# Altium PCB RELIA - Copy.PcbDoc (part 2 of 2)
Units mm, origin at the board's own origin, x right, y up, seen from the top; angles counter-clockwise.
Board outline 69.75 x 62.48 mm, 4 copper layers (Top Layer, GND, POWER, Bottom Layer), stack 0.603 mm thick; 143 components, 99 nets, 540 pads, 234 vias.
Unrouted connection lines stored in the file: 89.
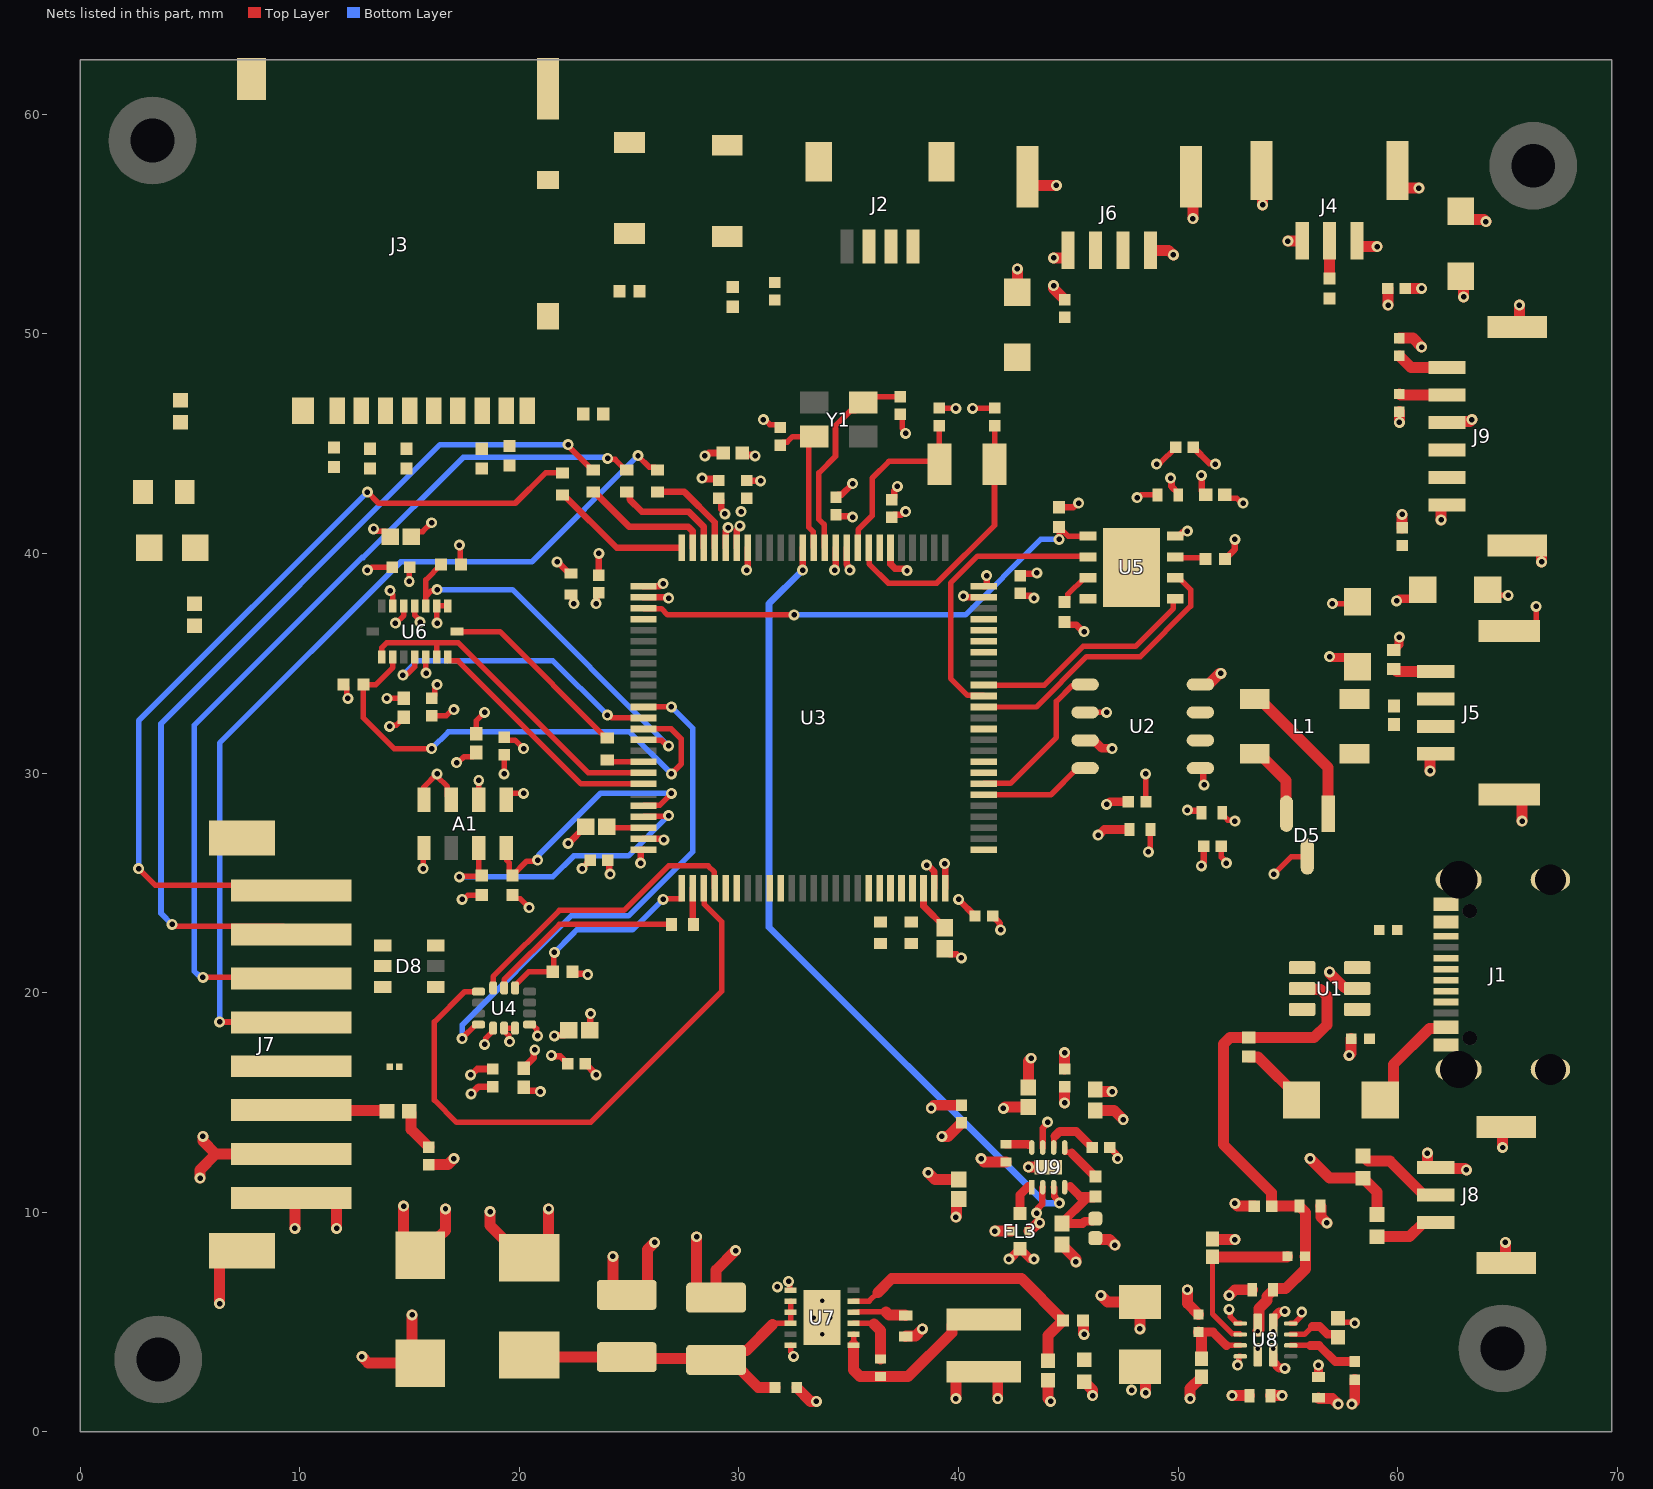
[diagram p4: the nets of this part, all layers, seen from the top]

## Part data (continued)
U9: library part CMP-06324-000082-1, "IC REG LINEAR 3.3V/3.3V 8TMLF", Dropout Voltage=120mV, Max Operating Temperature=125°C, Min Current Limit=350mA, Min Input Voltage=2.3V, Min Operating Temperature=-40°C, Output Current=300mA, Output Voltage=3.3V, Output Voltage Accuracy=1%, Package Quantity=1, Mount="Surface Mount", Number of Outputs=2, Number of Pins=8, Number of Regulators=2, Packaging="Tape and Reel", Polarity=Positive, RoHS Compliant=Yes, Series=-
Y1: library part SXT32412BB07-25.000MT, "25 MHz Â±30ppm Crystal 12pF 50 Ohms 4-SMD, No Lead", Package="NON STANDARD-4 Suntsu", Supplier Part Number 1=535-ABM8N-25.0000MHZ-12-B1U-T3CT-ND, Check_prices=https://www.snapeda.com/parts/SXT32412BB07-25.000M/Suntsu/view-part/?ref=eda, MF=Suntsu, MP=SXT32412BB07-25.000M, SnapEDA_Link=https://www.snapeda.com/parts/SXT32412BB07-25.000M/Suntsu/view-part/?ref=snap, Supplier 1=DigiKey
Y2: library part CMP-0447-00001-4, "Crystal 32.768kHz ±20ppm (Tol) 12.5pF FUND 70kΩ 2-Pin CSMD T/R", Case/Package=CSMD, ESR (Equivalent Series Resistance)=70kR, Frequency=32.768kHz, Frequency Tolerance=20ppm, Load Capacitance=12.5pF, Max Operating Temperature=85°C, Min Operating Temperature=-40°C, Operating Frequency="32.768 kHz", Package Quantity=3000, Depth=1.5mm, Height=0.9mm, Lead Free="Lead Free", Length=3.2mm, Number of Pins=2, Packaging="Tape and Reel", Radiation Hardening=No, REACH SVHC="No SVHC", RoHS Compliant=Yes, Series=ABS07, Series Resistance=70kR, Termination=SMD/SMT, Tolerance=20ppm, Width=1.5mm

## Free pads (board coordinates)
  round 4 / inner rect 2x2 / far side round 4 hole 2: MH4(3.302,58.801) MH4(3.556,3.302) MH4(64.77,3.81) MH4(66.167,57.658)

## Via types
v1: diameter 0.5, hole 0.25, Top Layer to Bottom Layer, 230 vias
v2: diameter 0.4, hole 0.2, Top Layer to Bottom Layer, 4 vias

## Nets (pads, with @x,y where several pads share a name; then routed paths per layer and width w, separated by ;. In a path a pad name is that pad's centre, name@x,y a point inside that pad or via, vN(x,y) a via of type N, cw(c..) or ccw(c..) an arc to the next point about the centre after c; other vN are vias at no path point)
+3V3_ANALOG: A1.1 A1.2 C11.1 C12.1 C13.1 C24.1 C25.1 C26.1 C27.1 C30.1 C31.1 C35.1 C36.1 C37.1 C38.1 C51.1 C52.1 FB1.2 R19.2 R24.1 R25.1 R26.2 R27.2 U3.20 U3.21 U4.5 U4.8 U6.3 U6.11 | length 26
  Top Layer w0.25: R27.2@11.996,34.036 12.144,33.888 12.144,33.449 v1(12.192,33.401) ; v1(13.97,33.401) C36.1@14.732,33.401 ; v1(14.351,36.83) 14.386,36.83 14.74,37.184 U6.3@14.74,37.614 ; v1(14.986,38.735) 14.995,38.744 14.995,39.361 C30.1@15.005,39.37 ; C31.1@15.082,40.767 15.309,40.994 15.594,40.994 v1(16.002,41.402) ; U6.11@15.74,35.284 15.74,34.563 v1(15.751,34.551) ; C35.1@16.002,33.42 16.137,33.555 16.137,33.849 16.256,33.968 v1(16.256,34.036) ; v1(17.145,30.48) 17.213,30.48 17.49,30.758 17.873,30.758 18.034,30.919 C38.1@18.034,30.94 ; v1(17.272,40.386) 17.307,40.351 17.307,39.531 R26.2@17.341,39.497 ; v1(17.399,24.257) 17.467,24.257 17.652,24.442 R24.1@18.288,24.442 ; A1.2@18.151,28.786 v1(18.151,29.671) ; v1(18.415,17.653) 18.463,17.701 18.463,17.928 18.804,18.269 U4.5@18.804,18.389 ; v1(19.304,29.972) C37.1@19.304,30.842 ; A1.1@19.401,28.786 19.401,28.908 19.576,29.083 v1(20.193,29.083) ; R25.1@19.685,24.442 19.835,24.292 20.031,24.292 v1(20.447,23.876) ; U4.8@20.469,18.554 20.589,18.554 20.79,18.353 20.79,18.072 v1(20.828,18.034)
  Top Layer w0.3: v1(17.78,16.256) 17.813,16.256 18.086,16.529 C24.1@18.796,16.529 ; C27.1@20.193,16.558 20.193,16.579 20.663,17.049 20.663,17.361 v1(20.701,17.399) ; v1(21.463,17.145) 21.501,17.107 21.863,17.107 C25.1@22.206,16.764 ; v1(21.59,18.034) 21.628,18.072 22.04,18.072 C26.1@22.256,18.288 ; R19.2@22.421,20.955 22.51,20.866 23.076,20.866 v1(23.114,20.828) ; C11.1@29.083,42.526 29.193,42.416 29.193,42.028 29.363,41.858 v1(29.363,41.804) ; U3.21@29.401,40.262 29.401,41.026 29.501,41.126 v1(29.501,41.18) ; U3.20@29.901,40.262 29.901,41.066 30.04,41.205 v1(30.04,41.259) ; C13.1@30.147,44.577 30.235,44.488 30.696,44.488 v1(30.734,44.45)
  Top Layer w0.5: v1(38.608,11.811) 38.931,11.488 C51.1@40.005,11.488 ; v1(39.243,13.462) 39.516,13.462 C52.1@40.132,14.078 ; v1(41.021,12.446) 41.167,12.3 FB1.2@42.164,12.3
  other v1: 30.099,41.91
+3V3_MAIN: C7.1 C8.1 C14.1 C15.1 C16.1 C17.1 C18.1 C19.1 C20.1 C32.1 C33.1 C34.1 C55.1 C56.1 C57.1 J2.1 J3.4 R2.1 R3.1 R4.1 R5.1 R6.1 R8.2 R21.2 R22.2 R23.2 R36.2 R37.2 R42.2 S1.1 U2.5 U3.6 U3.11 U3.27 U3.50 U3.75 U3.100 U5.8 U9.7 | length 30.1
  Top Layer w0.3: C20.1@22.352,38.133 22.366,38.133 22.441,38.058 22.441,37.757 v1(22.479,37.719) ; v1(23.495,37.719) 23.533,37.757 23.533,38.119 C17.1@23.622,38.208 ; C18.1@24.022,26.035 24.092,25.965 24.092,25.438 v1(24.13,25.4) ; v1(25.527,25.908) 25.527,26.512 U3.50@25.651,26.512 ; U3.27@25.651,38.012 26.704,38.012 26.743,37.973 v1(26.797,37.973) ; v1(34.352,39.243) 34.352,39.297 34.401,39.346 U3.11@34.401,40.262 ; C14.1@34.417,41.764 34.487,41.694 35.141,41.694 v1(35.179,41.656) ; U3.6@36.901,40.262 36.901,39.517 37.106,39.312 37.508,39.312 37.597,39.223 v1(37.651,39.223) ; C15.1@36.957,41.656 37.067,41.766 37.394,41.766 37.538,41.91 v1(37.592,41.91) ; v1(39.369,25.882) 39.401,25.85 U3.75@39.401,24.762 ; v1(40.005,24.257) 40.005,24.238 C19.1@40.748,23.495 ; U3.100@41.151,38.512 41.275,38.512 v1(41.275,38.989) ; C16.1@42.799,38.989 42.888,39.078 43.523,39.078 v1(43.561,39.116) ; U9.7@43.831,12.954 43.831,13.835 44.054,14.058 v1(44.054,14.112) ; R22.2@44.577,42.106 45.227,42.106 45.412,42.291 v1(45.466,42.291) ; R21.2@44.831,36.888 44.956,36.763 45.352,36.763 45.666,36.449 v1(45.72,36.449) ; v1(49.657,43.434) 49.695,43.396 49.695,43.057 50.005,42.747 C34.1@50.005,42.672 ; U5.8@49.864,40.795 50.034,40.795 50.222,40.983 50.381,40.983 v1(50.419,41.021) ; v1(50.419,28.321) 50.457,28.283 50.979,28.283 51.054,28.208 C7.1@51.054,28.194 ; C32.1@50.692,44.831 51.416,44.107 51.651,44.107 v1(51.689,44.069) ; U2.5@51.012,30.226 51.027,30.226 51.143,30.111 51.143,29.502 v1(51.181,29.464) ; v1(51.054,25.781) 51.054,25.835 51.162,25.943 C8.1@51.162,26.67 ; v1(51.054,43.561) 51.071,43.544 51.071,42.861 51.103,42.83 51.103,42.808 51.239,42.672 C33.1@51.26,42.672 ; R23.2@52.139,39.751 52.578,40.19 v1(52.578,40.64)
  Top Layer w0.5: v1(42.037,14.732) 42.106,14.801 C57.1@43.18,14.801 ; v1(44.831,14.986) C56.1@44.831,15.729 ; C55.1@46.228,14.634 47.088,14.634 v1(47.498,14.224) ; v1(56.007,12.446) 56.892,11.561 R37.2@58.42,11.561 ; R37.2@58.424,11.561 59.055,10.93 R36.2@59.055,9.902
BEC_5V: C44.2 C45.1 C47.1 L2.2 R33.2 R35.2 U8.7 | length 11
  Top Layer w0.5: v1(39.878,1.524) 39.878,2.512 40.118,2.752 L2.2@41.148,2.752 41.543,2.752 41.783,2.512 v1(41.783,1.524) ; C44.2@44.069,2.354 44.069,1.524 v1(44.196,1.397) ; R33.2@45.662,5.08 45.687,5.055 45.687,4.478 v1(45.72,4.445) ; v1(46.482,6.223) 46.784,5.921 C45.1@48.26,5.921 v1(48.26,4.699) ; v1(50.419,6.477) 50.419,5.861 R35.2@50.927,5.353 ; v1(52.451,1.651) C47.1@53.246,1.651
  other v2: 53.625,3.791
BMI_CSB1: R27.1 U3.39 U6.14 | length 23
  Top Layer w0.25: U6.14@14.24,35.284 14.24,34.814 13.462,34.036 R27.1@12.896,34.036 12.896,32.519 14.3,31.115 v1(16.002,31.115) ; U3.39@25.651,32.012 26.916,32.012 27.372,31.556 27.372,30.42 v1(26.924,29.972)
  Bottom Layer w0.25: v1(16.002,31.115) 16.764,31.877 25.019,31.877 v1(26.924,29.972)
BMI_CSB2: R26.1 U3.40 U6.5 | length 17.6
  Top Layer w0.25: U6.5@15.74,37.614 15.74,38.044 ; v1(16.256,38.359) 16.208,38.311 16.008,38.311 15.74,38.044 ; R26.1@16.441,39.497 15.74,38.796 15.74,38.044 ; U3.40@25.651,31.512 25.676,31.487 26.484,31.487 26.729,31.242 v1(26.797,31.242)
  Bottom Layer w0.25: v1(16.256,38.359) 19.68,38.359 v1(26.797,31.242)
BMI_INT(GYRO): U3.38 U6.12 | length 13.4
  Top Layer w0.25: v1(14.699,34.468) 14.747,34.516 14.901,34.516 15.24,34.854 U6.12@15.24,35.284 ; v1(24.003,32.639) 24.071,32.639 24.198,32.512 U3.38@25.651,32.512
  Bottom Layer w0.25: v1(14.699,34.468) 15.358,35.126 21.516,35.126 v1(24.003,32.639)
CAN_N: J5.3 L1.3 R12.1
CAN_P: J5.2 L1.4 R12.2
CANRX_N: U2.4 U3.81 | length 5.1
  Top Layer w0.254: U3.81@41.151,29.012 44.198,29.012 45.412,30.226 U2.4@45.762,30.226
CANTX_P: U2.1 U3.82 | length 7.4
  Top Layer w0.254: U3.82@41.151,29.512 41.174,29.535 42.362,29.535 44.45,31.623 44.45,33.265 45.165,33.979 45.705,33.979 U2.1@45.762,34.036
GND: A1.3 A1.4 A1.5 C1.2 C2.2 C3.2 C4.2 C5.2 C6.2 C7.2 C8.2 C9.2 C10.2 C11.2 C12.2 C13.2 C14.2 C15.2 C16.2 C17.2 C18.2 C19.2 C20.2 C21.1 C22.1 C23.2 C24.2 C25.2 C26.2 C27.2 C28.1 C29.1 C30.2 C31.2 C32.2 C33.2 C34.2 C35.2 C36.2 C37.2 C38.2 C39.2 C41.1 C42.1 C43.2 C45.2 C46.1 C47.2 C48.2 C49.1 C50.1 C51.2 C52.2 C53.1 C54.2 C55.2 C56.2 C57.2 C58.2 C59.2 D2.2 D3.2 D4.2 D5.3 D6.1 D7.2 D8.2 D10.2 D11.1 D12.2 FL3.3 FL3.4 J1.1 J1.2 J1.3 J1.4 J1.A1-B12 J1.B1-A12 J2.S1 J2.S2 J3.6 J3.P1 J3.P2 J3.P3 J3.P4 J3.SWA J4.3 J4.4 J4.5 J5.4 J5.5 J5.6 J6.4 J6.5 J6.6 J7.2 J7.9 J7.10 J8.3 J8.4 J8.5 J9.4 J9.7 J9.8 R9.2 R10.2 R18.1 R34.1 R39.2 R40.2 R41.2 S2.2 U1.2 U2.2 U2.8 U3.10 U3.19 U3.26 U3.49 U3.74 U3.99 U4.6 U4.7 U5.4 U5.9 U6.2 U6.4 U6.6 U6.7 U7.7 U7.12 U7.13 U7.V U8.3 U8.6 U8.12 U9.2 U9.9 | length 131.4
  Top Layer w0.25: v1(13.081,39.243) 13.149,39.243 13.276,39.37 C30.2@14.205,39.37 ; v1(13.366,41.117) 13.433,41.117 13.53,41.021 13.874,41.021 C31.2@14.128,40.767 ; v1(14.097,32.131) 14.145,32.179 14.388,32.179 14.732,32.522 C36.2@14.732,32.544 ; v1(14.111,38.314) 14.111,38.246 14.24,38.117 U6.2@14.24,37.614 ; U6.4@15.24,37.614 15.24,37.184 15.431,36.994 15.431,36.925 v1(15.478,36.877) ; v1(15.621,25.654) 15.626,25.659 15.626,26.561 A1.5@15.651,26.586 ; A1.4@15.651,28.786 15.651,29.367 v1(16.256,29.972) 16.256,29.857 16.726,29.387 16.726,28.961 A1.3@16.901,28.786 ; C35.2@16.002,32.62 16.677,32.62 16.95,32.893 v1(17.018,32.893) ; v1(16.256,36.83) 16.248,36.838 16.248,37.606 U6.6@16.24,37.614 U6.7@16.74,37.614 ; C38.2@18.034,31.798 18.034,32.385 v1(18.415,32.766) ; C37.2@19.304,31.642 19.439,31.507 19.801,31.507 v1(20.193,31.115) ; v1(19.558,17.78) 19.51,17.828 19.51,18.063 19.304,18.269 U4.6@19.304,18.389 U4.7@19.804,18.389 ; v1(31.115,46.101) 31.183,46.101 31.41,45.874 31.742,45.874 C22.1@31.877,45.739 ; v1(32.258,6.858) 32.303,6.813 32.303,6.457 U7.7@32.347,6.457 ; U7.12@32.347,3.957 32.347,3.662 32.493,3.516 v1(32.493,3.448) ; C21.1@37.338,46.336 37.425,46.249 37.425,45.701 37.592,45.534 v1(37.592,45.466) ; C29.1@39.116,46.628 39.125,46.618 39.869,46.618 v1(39.878,46.609) ; v1(40.64,46.609) 40.649,46.618 41.647,46.618 C28.1@41.656,46.628 ; U2.2@45.762,32.766 v1(46.736,32.766) ; v1(48.133,42.545) 48.201,42.545 48.328,42.672 C34.2@49.055,42.672 ; v1(48.514,29.972) 48.523,29.963 48.523,28.711 C4.2@48.533,28.702 ; v1(48.641,26.416) 48.641,26.484 48.735,26.578 C3.2@48.735,27.432 ; v1(49.022,44.069) 49.07,44.117 49.178,44.117 C32.2@49.892,44.831 ; C8.2@51.962,26.67 51.962,26.17 52.197,25.935 v1(52.197,25.908) ; C7.2@52.004,28.194 52.004,28.119 52.262,27.861 52.53,27.861 v1(52.578,27.813) ; C33.2@52.118,42.672 52.279,42.511 52.672,42.511 52.891,42.291 v1(52.959,42.291) ; v1(52.324,5.588) 52.372,5.54 52.372,5.244 52.675,4.941 U8.3@52.825,4.941 ; v1(52.705,3.048) 52.753,3.096 52.753,3.416 52.778,3.441 U8.6@52.825,3.441 ; v1(54.356,25.4) 55.159,26.203 D5.3@55.88,26.203 ; U8.12@55.125,4.941 55.275,4.941 55.578,5.244 55.578,5.413 v1(55.626,5.461) ; v1(57.023,37.719) 58.088,37.719 D3.2@58.166,37.797 ; C50.1@57.277,5.178 57.454,5.001 57.991,5.001 v1(58.039,4.953) ; D12.2@64.086,38.354 64.34,38.1 v1(65.024,38.1) ; J5.6@65.072,36.481 65.919,36.481 66.294,36.856 v1(66.294,37.592)
  Top Layer w0.3: v1(17.806,15.393) 18.142,15.729 C24.2@18.796,15.729 ; C27.2@20.193,15.7 20.193,15.679 20.329,15.543 20.852,15.543 20.901,15.494 v1(20.955,15.494) ; v1(21.717,39.624) 21.736,39.624 22.277,39.083 C20.2@22.352,39.083 ; v1(22.225,26.797) 22.233,26.797 22.995,27.559 C9.2@23.018,27.559 ; v1(22.86,25.654) 22.86,25.673 C18.2@23.222,26.035 ; C25.2@23.006,16.764 23.495,16.275 v1(23.495,16.256) ; C26.2@23.21,18.288 23.225,18.304 23.225,19.034 v1(23.241,19.05) ; C17.2@23.622,39.008 v1(23.622,40.005) ; U3.49@25.651,27.012 26.482,27.012 26.532,26.963 v1(26.586,26.963) ; U3.26@25.651,38.512 26.379,38.512 26.495,38.628 v1(26.549,38.628) ; v1(28.321,43.434) 28.359,43.396 29.013,43.396 C11.2@29.083,43.326 ; v1(28.448,44.45) 28.502,44.45 28.629,44.577 C13.2@29.289,44.577 ; v1(30.353,39.243) 30.353,39.297 30.401,39.345 U3.19@30.401,40.262 ; C12.2@30.353,43.326 30.362,43.316 30.979,43.316 v1(30.988,43.307) ; C14.2@34.417,42.564 34.527,42.674 34.673,42.674 v1(35.179,43.18) ; U3.10@34.901,40.262 34.901,39.543 34.901,39.517 34.952,39.466 34.952,39.397 35.052,39.297 v1(35.052,39.243) ; C15.2@36.957,42.456 37.067,42.566 37.067,42.855 37.211,42.999 v1(37.211,43.053) ; v1(38.544,25.812) 38.596,25.812 38.901,25.507 U3.74@38.901,24.762 ; C10.2@39.37,22.002 39.37,21.979 39.599,21.75 39.918,21.75 40.078,21.59 v1(40.132,21.59) ; v1(40.216,38.061) 40.27,38.061 40.32,38.012 U3.99@41.151,38.012 ; C19.2@41.548,23.495 41.872,23.171 41.872,22.898 v1(41.91,22.86) ; C16.2@42.799,38.189 42.909,38.079 43.274,38.079 43.38,37.973 v1(43.434,37.973) ; v1(43.549,9.962) 43.587,10 43.587,10.151 43.802,10.366 43.802,11.121 U9.2@43.831,11.15 ; C58.2@46.882,12.954 47.206,12.63 47.206,12.484 v1(47.244,12.446)
  Top Layer w0.5: v1(5.461,11.557) 5.461,11.938 6.176,12.653 ; v1(5.588,13.462) 5.588,13.241 6.176,12.653 ; v1(6.35,5.842) 6.35,7.703 6.9,8.253 J7.9@7.366,8.253 ; J7.2@9.616,12.653 6.176,12.653 ; v1(12.827,3.429) 13.118,3.138 D10.2@15.494,3.138 15.113,3.519 v1(15.113,5.334) ; C39.2@15.875,12.173 16.745,12.173 v1(17.018,12.446) ; v1(24.257,8.001) 24.257,6.681 24.692,6.246 C41.1@24.892,6.246 25.396,6.246 25.831,6.681 25.831,8.305 v1(26.162,8.636) ; v1(28.067,8.89) 28.067,6.554 28.502,6.119 C42.1@28.956,6.119 28.956,7.366 v1(29.845,8.255) ; C43.2@32.631,2.032 33.266,1.397 v1(33.528,1.397) ; C46.1@37.592,4.351 37.617,4.376 38.031,4.376 v1(38.354,4.699) ; v1(38.755,14.752) 38.881,14.878 C52.2@40.132,14.878 ; v1(39.878,9.779) 39.902,9.803 39.902,10.507 C51.2@40.005,10.61 ; v1(41.656,9.144) FL3.4@42.399,9.144 ; J6.6@43.138,57.159 43.138,57.019 43.388,56.769 v1(44.45,56.769) ; v1(43.18,12.065) 44.068,12.065 U9.9@44.081,12.052 ; C57.2@43.18,15.679 43.18,16.891 v1(43.307,17.018) ; FL3.3@43.199,9.144 43.249,9.194 43.285,9.194 43.616,9.525 v1(43.688,9.525) ; C54.2@44.704,8.538 44.704,8.517 45.339,7.882 v1(45.339,7.747) ; C56.2@44.831,16.529 v1(44.831,17.272) ; R34.1@45.72,2.292 45.722,2.292 46.101,1.913 v1(46.101,1.651) ; C53.1@46.228,8.826 46.296,8.759 46.867,8.759 v1(47.117,8.509) ; C55.2@46.228,15.592 46.228,15.58 46.314,15.494 v1(46.99,15.494) ; C45.2@48.26,2.969 48.514,2.715 v1(48.514,1.778) ; J6.4@48.738,53.809 49.569,53.809 v1(49.784,53.594) ; v1(50.546,1.524) 50.546,1.973 51.054,2.481 R39.2@51.054,2.514 ; J6.5@50.588,57.159 50.673,57.074 v1(50.673,55.245) ; U2.8@51.012,34.036 51.376,34.036 51.884,34.544 v1(51.943,34.544) ; R41.2@51.562,8.789 51.588,8.763 v1(52.578,8.763) ; v1(52.324,6.223) 52.578,6.477 C48.2@53.373,6.477 ; v1(52.578,10.414) 52.705,10.287 C2.2@53.467,10.287 ; J4.5@53.796,57.44 53.848,57.388 v1(53.848,55.88) ; C47.2@54.196,1.651 v1(54.737,1.651) ; v1(54.991,54.229) 55.635,54.229 J4.3@55.646,54.24 ; C49.1@56.388,1.557 56.413,1.532 57.015,1.532 v1(57.277,1.27) ; C1.2@56.482,10.287 56.507,10.262 56.507,9.787 v1(56.769,9.525) ; v1(56.896,20.955) 56.896,20.905 57.563,20.238 58.106,20.238 U1.2@58.151,20.193 ; v1(57.785,17.145) 57.879,17.239 R9.2@57.879,17.907 ; v1(57.912,1.27) 58.039,1.397 R40.2@58.039,2.38 ; C59.2@59.544,52.07 59.544,51.327 v1(59.563,51.308) ; J4.4@59.996,57.44 59.996,56.892 60.246,56.642 v1(60.96,56.642) ; v1(61.341,12.7) 61.341,12.095 61.391,12.045 J8.3@61.733,12.045 61.783,11.995 63.062,11.995 v1(63.119,11.938) ; v1(61.468,30.099) 61.468,30.831 61.518,30.881 J5.4@61.722,30.881 ; J9.4@62.241,45.964 62.291,46.014 63.286,46.014 v1(63.373,46.101) ; D2.2@62.865,55.577 62.865,55.562 63.225,55.202 63.924,55.202 v1(64.008,55.118) ; v1(64.77,12.954) 64.77,13.732 J8.5@64.933,13.895 ; v1(64.897,8.636) 64.897,7.731 J8.4@64.933,7.695 ; J5.5@65.072,29.031 65.409,29.031 65.659,28.781 v1(65.659,27.813) ; J9.7@65.441,40.364 66.291,40.364 66.541,40.114 66.541,39.631 v1(66.548,39.624) ; J9.8@65.441,50.314 65.532,50.405 v1(65.532,51.308)
  other v1: 47.879,1.905 31.75,6.604
ICM42INT: U3.37 U4.4 | length 23.7
  Top Layer w0.25: v1(17.399,17.907) 17.399,17.934 18.019,18.554 U4.4@18.139,18.554 ; U3.37@25.651,33.012 25.655,33.016 26.92,33.016 v1(26.924,33.02)
  Bottom Layer w0.25: v1(17.399,17.907) 17.399,18.542 22.353,23.496 24.969,23.496 27.889,26.416 27.889,32.055 v1(26.924,33.02)
MCU_STATUS: R17.2 U3.84
NetC9_1: C9.1 U3.48 | length 1.7
  Top Layer w0.25: C9.1@23.972,27.559 24.019,27.512 U3.48@25.651,27.512
NetC10_1: C10.1 U3.73 | length 2.2
  Top Layer w0.3: U3.73@38.401,24.762 38.401,23.948 39.37,22.979 C10.1@39.37,22.956
NetC21_2: C21.2 U3.12 Y1.3 | length 9.5
  Top Layer w0.254: U3.12@33.901,40.262 33.878,40.285 33.878,41.321 33.64,41.558 33.64,43.673 34.396,44.429 34.396,45.826 35.073,46.503 35.296,46.503 35.929,47.136 C21.2@37.338,47.136
NetC22_2: C22.2 U3.13 Y1.1 | length 6.9
  Top Layer w0.254: C22.2@31.877,44.939 32.01,45.072 32.192,45.072 32.446,45.326 Y1.1@33.269,45.326 ; U3.13@33.401,40.262 33.378,40.285 33.378,40.997 33.186,41.189 33.186,45.243 Y1.1@33.269,45.326 ; Y1.1@33.419,45.326 Y1.1@33.269,45.326
NetC28_2: C28.2 U3.8 Y2.1 | length 12.5
  Top Layer w0.254: U3.8@35.901,40.262 35.924,40.239 35.924,39.527 36.804,38.646 38.998,38.646 41.636,41.285 Y2.1@41.636,44.069 41.656,44.089 C28.2@41.656,45.828
NetC29_2: C29.2 U3.9 Y2.2 | length 8.7
  Top Layer w0.254: U3.9@35.401,40.262 35.424,40.285 35.424,41.085 36.068,41.729 36.068,43.434 36.83,44.196 39.009,44.196 Y2.2@39.136,44.069 39.116,44.089 C29.2@39.116,45.828
NetC39_1: C39.1 R28.2 U3.29 | length 2
  Top Layer w0.5: R28.2@14.982,14.605 15.064,14.522 15.064,13.784 C39.1@15.875,12.973
NetC40_1: C40.1 L2.1 U7.1 U7.2 | length 9
  Top Layer w0.25: U7.1@35.217,3.957 U7.2@35.217,4.457
  Top Layer w0.5: U7.1@35.217,3.957 35.217,2.814 35.51,2.521 C40.1@36.449,2.521 37.7,2.521 39.698,4.519 39.698,4.882 39.938,5.122 L2.1@41.148,5.122
NetC40_2: C40.2 U7.3 | length 2.7
  Top Layer w0.25: U7.3@35.217,4.957 36.11,4.957 36.158,4.909
  Top Layer w0.5: 36.158,4.909 36.449,4.618 C40.2@36.449,3.321
NetC41_2: C41.2 C42.2 C43.1 D9.1 U7.8 U7.9 U7.10 | length 16.2
  Top Layer w0.25: 31.533,4.957 U7.10@32.347,4.957 U7.9@32.347,5.457 U7.8@32.347,5.957
  Top Layer w0.5: D9.1@20.447,3.505 20.546,3.406 C41.2@24.892,3.406 24.956,3.343 28.892,3.343 C42.2@28.956,3.279 C42.2@29.631,3.279 ; 31.533,4.894 30.353,3.714 30.066,3.714 C42.2@29.631,3.279 ; C43.1@31.631,2.032 30.878,2.032 C42.2@29.631,3.279
NetC44_1: C44.1 R33.1 R34.2 U7.5 | length 12.9
  Top Layer w0.25: U7.5@35.217,5.957 35.929,5.957 36.322,6.35
  Top Layer w0.5: 36.322,6.35 36.957,6.985 42.857,6.985 R33.1@44.762,5.08 44.069,4.387 C44.1@44.069,3.234
NetC46_2: C46.2 U7.4 | length 2.2
  Top Layer w0.25: U7.4@35.217,5.457 35.43,5.457 35.457,5.484 36.472,5.484
  Top Layer w0.5: 36.703,5.461 36.838,5.326 37.567,5.326 C46.2@37.592,5.301
NetC50_2: C50.2 U8.11 | length 2.5
  Top Layer w0.25: U8.11@55.125,4.441 55.749,4.441 56.113,4.805
  Top Layer w0.4: 56.113,4.805 56.444,4.805 56.801,4.448 57.167,4.448 57.277,4.338 C50.2@57.277,4.318
NetC53_2: C53.2 C54.1 FL3.2 R43.1 U9.1 U9.4 | length 6.4
  Top Layer w0.4: FL3.2@42.799,9.944 42.799,10.795 43.18,11.176 ; C54.1@44.704,9.496 45.64,9.496 45.743,9.598 46.11,9.598 C53.2@46.228,9.716 ; C54.1@44.704,9.517 45.838,10.651 46.153,10.651 R43.1@46.228,10.726 45.535,10.726 45.085,11.176
NetC58_1: C58.1 U9.6 | length 2.6
  Top Layer w0.25: U9.6@44.331,12.954 44.335,12.958 44.335,13.416 44.381,13.462
  Top Layer w0.4: 44.381,13.462 44.607,13.688 45.348,13.688 C58.1@46.082,12.954
NetD1_1: D1.1 FL1.1 | length 3.2
  Top Layer w0.5: FL1.1@53.213,17.094 53.233,17.074 53.643,17.074 55.604,15.113 D1.1@55.614,15.113
NetD1_2: D1.2 J1.A4-B9 J1.B4-A9 | length 5
  Top Layer w0.5: D1.2@59.194,15.113 59.204,15.113 59.794,15.703 59.794,16.737 61.435,18.378 62.146,18.378 J1.A4-B9@62.196,18.428
NetD5_1: D5.1 L1.1 U2.7 | length 6.7
  Top Layer w0.5: L1.1@53.478,33.381 53.703,33.381 56.83,30.254 D5.1@56.83,28.153
NetD5_2: D5.2 L1.2 U2.6 | length 3.5
  Top Layer w0.5: L1.2@53.478,30.881 53.703,30.881 54.91,29.674 54.91,28.173 D5.2@54.93,28.153
NetD6_2: D6.2 R17.1
NetD7_1: D7.1 J7.4 U3.97
NetD8_1: D8.1 J7.7 R31.2 | length 40.4
  Top Layer w0.254: v1(4.191,23.114) 4.258,23.114 4.346,23.026 9.243,23.026 J7.7@9.616,22.653 ; v1(22.225,44.958) 22.225,44.9 23.318,43.807 R31.2@23.368,43.807
  Bottom Layer w0.254: v1(4.191,23.114) 3.683,23.622 3.683,32.251 16.39,44.958 v1(22.225,44.958)
NetD8_3: D8.3 J7.8 R32.2 | length 38.5
  Top Layer w0.254: v1(2.667,25.654) 3.429,24.892 9.377,24.892 J7.8@9.616,24.653 ; v1(13.081,42.799) 13.589,42.291 19.812,42.291 21.193,43.672 R32.2@21.971,43.672
  Bottom Layer w0.254: v1(2.667,25.654) 2.667,32.385 v1(13.081,42.799)
NetD8_4: D8.4 J7.5 R29.2 | length 41.6
  Top Layer w0.254: v1(6.35,18.669) 9.6,18.669 J7.5@9.616,18.653 ; v1(25.402,44.455) 25.402,44.448 25.92,43.93 26.166,43.93 R29.2@26.289,43.807
  Bottom Layer w0.254: v1(6.35,18.669) 6.35,31.369 14.605,39.624 20.572,39.624 v1(25.402,44.455)
NetD8_6: D8.6 J7.6 R30.2 | length 40.7
  Top Layer w0.254: v1(5.588,20.701) 9.568,20.701 J7.6@9.616,20.653 ; v1(24.02,44.337) 24.067,44.29 24.359,44.29 24.842,43.807 R30.2@24.892,43.807
  Bottom Layer w0.254: v1(5.588,20.701) 5.521,20.701 5.398,20.824 5.354,20.824 5.205,20.973 5.205,32.183 12.842,39.82 12.884,39.82 17.445,44.381 23.976,44.381 v1(24.02,44.337)
NetD11_2: D11.2 R42.1
NetFB1_1: FB1.1 U9.8 | length 1
  Top Layer w0.4: FB1.1@42.164,13.1 43.161,13.1 43.18,13.081
NetFL2_1: FL2.1 J5.1 | length 2
  Top Layer w0.5: FL2.1@59.817,34.747 59.847,34.747 59.963,34.631 J5.1@61.722,34.631
NetJ1_A5: J1.A5 R9.1
NetJ1_B5: J1.B5 R10.1
NetJ3_1: J3.1 R4.2
NetJ3_2: J3.2 R5.2
NetJ3_3: J3.3 R6.2 U3.83
NetJ3_5: J3.5
NetJ3_7: J3.7 R2.2
NetJ3_8: J3.8 R3.2
NetJ3_SWB: J3.SWB R8.1 U3.7
NetJ4_2: J4.2 R11.2 | length 1.7
  Top Layer w0.5: R11.2@56.896,52.52 J4.2@56.896,54.24
NetJ6_2: J6.2 U3.68
NetJ6_3: J6.3 U3.69
NetJ7_3: J7.3 R28.1 | length 4.4
  Top Layer w0.5: J7.3@9.616,14.653 9.64,14.629 13.95,14.629 R28.1@13.974,14.605
NetJ8_1: J8.1 R36.1 U3.59 | length 2.9
  Top Layer w0.5: R36.1@59.055,8.894 60.532,8.894 61.183,9.545 J8.1@61.733,9.545
NetJ8_2: J8.2 R37.1 U3.60 | length 4
  Top Layer w0.5: R37.1@58.42,12.569 58.424,12.569 58.648,12.344 59.634,12.344 61.183,10.795 J8.2@61.733,10.795
NetJ9_5: J9.5 R14.2 U3.96 | length 2.2
  Top Layer w0.5: R14.2@60.071,47.265 60.122,47.214 J9.5@62.241,47.214
NetJ9_6: J9.6 R13.2 U3.95 | length 2.4
  Top Layer w0.5: R13.2@60.071,49.001 60.608,48.464 J9.6@62.241,48.464
NetR11_1: R11.1 U3.87
NetR15_1: R15.1 U3.42 | length 1.7
  Top Layer w0.25: R15.1@24.003,30.607 24.098,30.512 U3.42@25.651,30.512
NetR16_1: R16.1 U3.52 | length 1.7
  Top Layer w0.3: U3.52@27.901,24.762 27.901,23.145 R16.1@27.932,23.114
NetR18_2: R18.2 S1.2 U3.94
NetR21_1: R21.1 U5.3 | length 1.6
  Top Layer w0.25: R21.1@44.831,37.788 44.981,37.938 44.981,38.152 45.724,38.895 U5.3@45.894,38.895
NetR23_1: R23.1 U5.7 | length 1.4
  Top Layer w0.25: U5.7@49.864,39.845 49.911,39.798 51.192,39.798 R23.1@51.239,39.751
NetR29_1: R29.1 U3.22 | length 4.3
  Top Layer w0.3: R29.1@26.289,42.807 27.515,42.807 28.901,41.421 U3.22@28.901,40.262
NetR30_1: R30.1 U3.23 | length 5.3
  Top Layer w0.3: R30.1@24.892,42.807 24.919,42.807 25.019,42.707 25.019,42.467 25.576,41.91 27.705,41.91 28.401,41.214 U3.23@28.401,40.262
NetR31_1: R31.1 U3.24 | length 6
  Top Layer w0.3: R31.1@23.368,42.807 23.418,42.807 25.013,41.212 27.696,41.212 27.901,41.007 U3.24@27.901,40.262
NetR32_1: R32.1 U3.25 | length 6.4
  Top Layer w0.3: R32.1@21.971,42.672 22.021,42.672 24.431,40.262 U3.25@27.401,40.262
NetR35_1: R35.1 R39.1 U8.5 | length 3.4
  Top Layer w0.25: 52.193,3.941 U8.5@52.825,3.941
  Top Layer w0.4: R35.1@50.927,4.553 51.581,4.553 52.193,3.941
  Top Layer w0.5: R35.1@50.927,4.553 51.054,4.426 R39.1@51.054,3.328
NetR38_1: R38.1 R41.1 U8.4 | length 7.7
  Top Layer w0.25: R41.1@51.562,7.975 51.562,5.374 52.47,4.466 52.8,4.466 U8.4@52.825,4.441
  Top Layer w0.5: R41.1@51.562,7.975 54.946,7.975 R38.1@54.972,8.001
NetR40_1: R40.1 U8.10 | length 3.2
  Top Layer w0.25: U8.10@55.125,3.941 56.011,3.941
  Top Layer w0.4: 56.011,3.941 56.414,3.941 57.147,3.208 R40.1@58.039,3.208
NetR43_2: R43.2 U9.5 | length 2.1
  Top Layer w0.25: U9.5@44.831,12.954 44.831,12.749 44.835,12.745 45.109,12.745 45.154,12.7
  Top Layer w0.4: 45.154,12.7 R43.2@46.228,11.626
NRST: C23.1 R20.1 R20.2 S2.1 U3.14 U9.3 | length 37.2
  Top Layer w0.3: v1(32.893,39.243) 32.901,39.251 U3.14@32.901,40.262 ; U9.3@44.331,11.15 44.36,11.121 44.36,10.816 44.36,10.742 44.399,10.703 44.399,10.663 44.587,10.474 v1(44.587,10.42)
  Bottom Layer w0.3: v1(32.893,39.243) 31.369,37.719 31.369,22.987 43.936,10.42 v1(44.587,10.42)
SCL: A1.8 R25.2 U3.46 | length 11.2
  Top Layer w0.254: 19.431,26.035 19.537,25.929 19.537,25.49 R25.2@19.685,25.342 20.331,25.988 20.781,25.988 v1(20.828,26.035) ; U3.46@25.651,28.512 25.674,28.535 26.386,28.535 26.924,29.073 v1(26.924,29.083)
  Bottom Layer w0.254: v1(20.828,26.035) 20.875,26.082 20.875,26.263 23.695,29.083 v1(26.924,29.083)
SDA: A1.7 R24.2 U3.47 | length 14.2
  Top Layer w0.254: v1(17.272,25.273) 17.307,25.308 18.254,25.308 R24.2@18.288,25.342 18.151,25.479 A1.7@18.151,26.586 ; U3.47@25.651,28.012 25.674,28.035 26.765,28.035 v1(26.797,28.067)
  Bottom Layer w0.254: v1(17.272,25.273) 21.517,25.273 22.475,26.231 24.961,26.231 v1(26.797,28.067)
SPI1_CS: R22.1 U3.28 U5.1 | length 22.5
  Top Layer w0.25: U3.28@25.651,37.512 25.676,37.487 26.47,37.487 26.746,37.211 v1(32.512,37.211) ; v1(44.577,40.64) R22.1@44.577,41.206 44.988,40.795 U5.1@45.894,40.795
  Bottom Layer w0.25: v1(32.512,37.211) 40.31,37.211 43.739,40.64 v1(44.577,40.64)
SPI1_MISO: U3.90 U5.2 | length 13
  Top Layer w0.25: U3.90@41.151,33.512 41.126,33.537 40.416,33.537 39.641,34.312 39.641,38.65 40.869,39.878 45.861,39.878 U5.2@45.894,39.845
SPI1_MOSI: U3.91 U5.5 | length 10.5
  Top Layer w0.25: U3.91@41.151,34.012 43.903,34.012 45.667,35.776 48.048,35.776 49.778,37.506 49.778,37.86 U5.5@49.864,37.945
SPI1_SCLK: U3.89 U5.6 | length 13
  Top Layer w0.25: U3.89@41.151,33.012 43.539,33.012 45.834,35.306 48.275,35.306 50.569,37.6 50.569,38.36 50.034,38.895 U5.6@49.864,38.895
SPI2_CS: R19.1 U3.51 U4.12 | length 10.3
  Top Layer w0.25: U4.12@19.804,20.219 19.804,20.339 20.42,20.955 R19.1@21.521,20.955 21.556,20.99 21.556,21.81 v1(21.59,21.844) ; v1(26.543,24.257) 26.573,24.287 27.376,24.287 27.401,24.312 U3.51@27.401,24.762
  Bottom Layer w0.25: v1(21.59,21.844) 22.41,22.664 22.411,22.664 22.607,22.86 25.146,22.86 v1(26.543,24.257)
SPI2_MISO: U3.53 U4.1 | length 27.1
  Top Layer w0.25: U4.1@18.139,20.054 17.514,20.054 16.129,18.669 16.129,15.113 17.145,14.097 23.241,14.097 29.21,20.066 29.21,23.241 28.426,24.025 28.426,24.737 U3.53@28.401,24.762
SPI2_MOSI: U3.54 U4.14 | length 13.5
  Top Layer w0.25: U4.14@18.804,20.219 18.804,20.734 21.819,23.749 24.765,23.749 26.797,25.781 28.592,25.781 28.876,25.497 28.876,24.787 U3.54@28.901,24.762
SPI2_SCLK: R16.2 U4.13 | length 9
  Top Layer w0.25: U4.13@19.304,20.219 19.304,20.597 21.821,23.114 R16.2@26.932,23.114
SPI4_MISO: U3.43 U6.10 U6.15 | length 15.6
  Top Layer w0.25: U6.15@13.74,35.284 13.74,35.714 13.967,35.941 17.21,35.941 23.139,30.012 U3.43@25.651,30.012 ; U6.10@16.24,35.284 16.24,35.925 16.256,35.941
SPI4_MOSI: U3.44 U6.9 | length 11.4
  Top Layer w0.25: U6.9@16.74,35.284 16.74,35.164 16.79,35.114 17.21,35.114 22.812,29.512 U3.44@25.651,29.512
SPI4_SCLK: R15.2 U6.8 | length 8.9
  Top Layer w0.25: U6.8@17.155,36.449 19.111,36.449 23.953,31.607 R15.2@24.003,31.607
SWCLK: J2.3 U3.76
SWDIO: J2.2 U3.72
UART3_RX: J9.3 U3.56
UART3_TX: J9.2 U3.55
USB1_N: J1.A7 J1.B7 U1.1
USB1_P: J1.A6 J1.B6 U1.3
USB4_N: R1.1 U1.6
USB4_P: R7.1 U1.4
USB_N: R1.2 U3.70
USB_P: R7.2 U3.71
VBAT: D9.2 D10.1 J7.1 | length 15.6
  Top Layer w0.5: v1(9.779,9.271) 9.779,10.49 J7.1@9.616,10.653 11.434,10.653 11.684,10.403 v1(11.684,9.271) ; v1(14.732,10.287) 14.732,8.8 D10.1@15.494,8.038 15.544,8.038 16.374,8.868 16.374,8.918 16.637,9.181 v1(16.637,10.16) ; v1(18.669,10.033) 18.669,9.411 20.155,7.925 D9.2@20.447,7.925 20.506,7.925 21.336,8.754 v1(21.336,10.16)
VBUS: C1.1 C2.1 C48.1 FL1.2 R38.2 U1.5 U8.2 | length 24.1
  Top Layer w0.5: v2(53.625,4.591) 53.675,4.641 53.675,5.618 54.048,5.991 54.048,6.162 54.073,6.187 54.073,6.202 54.323,6.452 C48.1@54.323,6.477 ; C48.1@54.348,6.527 54.896,6.527 55.798,7.429 55.798,7.975 R38.2@55.772,8.001 ; C1.1@55.532,10.287 C2.1@54.267,10.287 54.257,10.297 54.257,10.894 52.07,13.081 52.07,17.665 52.363,17.958 FL1.2@53.213,17.958 56.185,17.958 56.769,18.542 56.769,19.855 56.476,20.148 55.686,20.148 U1.5@55.641,20.193 ; C1.1@55.557,10.237 55.807,9.987 R38.2@55.807,8.036
VDD_5V: C3.1 C4.1 C5.1 C6.1 C49.2 C59.1 D2.1 D3.1 D4.1 D12.1 FL2.2 FL3.1 J4.1 J6.1 J9.1 R13.1 R14.1 U2.3 U8.1 U8.8 | length 20.6
  Top Layer w0.4: v1(42.291,7.874) 42.31,7.893 42.348,7.893 FL3.1@42.799,8.344 43.25,7.893 43.415,7.893 v1(43.434,7.874) ; U2.3@45.762,31.496 46.153,31.496 46.514,31.134 46.971,31.134 v1(46.99,31.115) ; v1(46.355,27.178) 46.382,27.178 46.636,27.432 C3.1@47.785,27.432 ; v1(46.736,28.575) 46.763,28.575 46.89,28.702 C4.1@47.733,28.702 ; U8.8@54.325,3.516 54.325,3.191 54.606,2.91 54.84,2.91 v1(54.859,2.891) ; U8.1@54.325,4.866 54.325,5.191 54.607,5.473 54.843,5.473 v1(54.862,5.492) ; C49.2@56.388,2.507 v1(56.388,3.048) ; v1(56.896,35.306) 56.923,35.306 56.957,35.272 57.756,35.272 58.166,34.862 D3.1@58.166,34.847 ; FL2.2@59.817,35.611 59.847,35.611 59.917,35.681 59.917,35.711 60.052,35.846 60.052,36.176 v1(60.071,36.195) ; v1(59.944,37.846) 59.971,37.846 60.069,37.944 60.726,37.944 D12.1@61.136,38.354
  Top Layer w0.5: D4.1@42.672,51.894 v1(42.672,52.959) ; v1(44.323,52.197) 44.323,52.07 C5.1@44.831,51.562 ; v1(44.323,53.467) 44.938,53.467 44.988,53.517 J6.1@44.988,53.809 ; J4.1@58.146,54.24 58.146,54.025 58.196,53.975 v1(59.055,53.975) ; v1(60.071,45.974) R14.1@60.071,46.461 ; R13.1@60.071,49.805 60.685,49.805 v1(61.087,49.403) ; C6.1@60.198,41.167 v1(60.198,41.783) ; C59.1@60.344,52.07 v1(61.087,52.07) ; v1(61.976,41.529) 61.976,42.164 62.026,42.214 J9.1@62.241,42.214 ; D2.1@62.865,52.627 62.992,52.5 v1(62.992,51.689)
  other v2: 54.325,3.791 54.325,4.591
pads on no net: A1.6 D8.5 J1. J1.A8 J1.B8 J2.4 U3.1 U3.2 U3.3 U3.4 U3.5 U3.15 U3.16 U3.17 U3.18 U3.30 U3.31 U3.32 U3.33 U3.34 U3.35 U3.36 U3.41 U3.45 U3.57 U3.58 U3.61 U3.62 U3.63 U3.64 U3.65 U3.66 U3.67 U3.77 U3.78 U3.79 U3.80 U3.85 U3.86 U3.88 U3.92 U3.93 U3.98 U4.2 U4.3 U4.9 U4.10 U4.11 U6.1 U6.13 U6.16 U7.6 U7.11 U8.9 Y1.2 Y1.4

## Polygon pours and split planes (outlines as drawn)
GND on GND (split plane): 69.237,0.51 0.51,0.51 0.51,61.974 69.237,61.974
+3V3_MAIN on POWER (split plane): 69.237,61.923 69.214,61.94 69.153,61.966 69.093,61.974 69.237,61.974
BEC_5V on POWER (split plane): 53.723,4.191 53.723,0.887 39.114,0.887 39.114,6.86 53.723,6.86
VDD_5V on POWER (split plane): 68.836,0.887 68.834,0.887 54.227,0.887 54.227,4.191 54.227,7.112 54.219,7.177 54.193,7.238 54.153,7.29 54.101,7.33 54.04,7.356 53.975,7.364 41.908,7.364 41.908,9.906 41.908,11.467 49.785,11.559 56.642,11.559 56.707,11.567 56.768,11.593 56.82,11.633 56.86,11.685 56.886,11.746 56.894,11.811 56.894,26.289 56.894,29.21 56.886,29.275 56.86,29.336 56.82,29.388 56.768,29.428 56.707,29.454 56.642,29.462 52.449,29.462 52.449,30.734 52.441,30.799 52.415,30.86 52.375,30.912 52.323,30.952 52.262,30.978 52.197,30.986 49.657,30.986 49.592,30.978 49.531,30.952 49.479,30.912 49.439,30.86 49.413,30.799 49.405,30.734 49.405,26.541 44.575,26.541 44.575,34.927 56.388,34.927 56.453,34.935 56.514,34.961 56.566,35.001 56.606,35.053 56.632,35.114 56.64,35.179 56.64,47.625 56.632,47.69 56.606,47.751 56.566,47.803 56.514,47.843 56.453,47.869 56.388,47.877 41.4,47.877 41.4,61.47 68.836,61.47
+3V3_ANALOG on POWER (split plane): 31.371,46.104 31.371,39.365 22.223,39.241 21.971,39.241 21.906,39.233 21.845,39.207 21.793,39.167 21.753,39.115 21.727,39.054 21.719,38.989 21.719,29.083 21.719,23.622 21.727,23.557 21.753,23.496 21.793,23.444 21.845,23.404 21.906,23.378 21.971,23.37 25.783,23.37 25.783,13.843 25.791,13.778 25.817,13.717 25.857,13.665 25.909,13.625 25.97,13.599 26.035,13.591 43.309,13.591 43.309,11.988 41.653,11.969 41.622,11.964 41.591,11.96 41.589,11.959 41.588,11.959 41.559,11.947 41.53,11.935 41.529,11.934 41.527,11.933 41.503,11.914 41.478,11.895 41.477,11.894 41.476,11.893 41.457,11.868 41.438,11.843 41.437,11.841 41.436,11.84 41.425,11.811 41.412,11.782 41.412,11.78 41.412,11.779 41.408,11.748 41.404,11.716 41.404,9.906 41.404,7.364 38.862,7.364 38.797,7.356 38.736,7.33 38.684,7.29 38.644,7.238 38.618,7.177 38.61,7.112 38.61,0.635 38.618,0.57 38.643,0.51 28.954,0.51 28.954,11.938 28.946,12.003 28.92,12.064 28.88,12.116 28.828,12.156 28.767,12.182 28.702,12.19 0.887,12.19 0.887,46.229
+3V3_MAIN on POWER (split plane): 41.083,61.966 41.022,61.94 40.97,61.9 40.93,61.848 40.904,61.787 40.896,61.722 40.896,47.625 40.904,47.56 40.93,47.499 40.97,47.447 41.022,47.407 41.083,47.381 41.148,47.373 56.136,47.373 56.136,35.431 44.323,35.431 44.258,35.423 44.197,35.397 44.145,35.357 44.105,35.305 44.079,35.244 44.071,35.179 44.071,26.289 44.079,26.224 44.105,26.163 44.145,26.111 44.197,26.071 44.258,26.045 44.323,26.037 49.657,26.037 49.722,26.045 49.783,26.071 49.835,26.111 49.875,26.163 49.901,26.224 49.909,26.289 49.909,30.482 51.945,30.482 51.945,29.21 51.953,29.145 51.979,29.084 52.019,29.032 52.071,28.992 52.132,28.966 52.197,28.958 56.39,28.958 56.39,26.289 56.39,12.063 49.784,12.063 49.783,12.063 49.781,12.063 43.813,11.994 43.813,13.843 43.805,13.908 43.779,13.969 43.739,14.021 43.687,14.061 43.626,14.087 43.561,14.095 26.287,14.095 26.287,23.622 26.279,23.687 26.253,23.748 26.213,23.8 26.161,23.84 26.1,23.866 26.035,23.874 22.223,23.874 22.223,29.083 22.223,38.737 22.225,38.737 22.227,38.737 22.228,38.737 31.626,38.864 31.657,38.868 31.688,38.872 31.69,38.873 31.692,38.873 31.72,38.886 31.749,38.898 31.75,38.899 31.752,38.899 31.776,38.919 31.801,38.938 31.802,38.939 31.804,38.94 31.822,38.965 31.841,38.99 31.842,38.992 31.843,38.993 31.855,39.022 31.867,39.051 31.867,39.052 31.867,39.054 31.871,39.085 31.875,39.116 31.875,46.355 31.871,46.387 31.867,46.419 31.867,46.42 31.854,46.451 31.842,46.48 31.842,46.481 31.841,46.481 31.822,46.507 31.802,46.533 31.801,46.533 31.776,46.553 31.75,46.573 31.749,46.573 31.719,46.586 31.689,46.598 31.688,46.599 31.656,46.603 31.624,46.607 0.636,46.734 0.635,46.734 0.603,46.73 0.571,46.726 0.57,46.726 0.54,46.713 0.51,46.701 0.51,61.974 41.143,61.974
VBAT on POWER (split plane): 28.45,1.014 0.887,1.014 0.887,11.686 28.45,11.686
no net on POWER (split plane): 0.57,0.518 0.63,0.51 0.51,0.51 0.51,0.543

## Other copper
POWER (plane layer: these items are gaps in the copper):
  lines w0.15: 41.656,7.239 41.656,9.906 41.656,11.716 49.784,11.811 56.642,11.811 56.642,17.78 56.642,26.289 56.642,29.21 52.197,29.21 52.197,30.734 49.657,30.734 49.657,28.448 49.657,26.289 44.323,26.289 44.323,35.179 53.467,35.179 56.388,35.179 56.388,47.625 ; 43.561,11.811 43.561,13.843 41.656,13.843 27.305,13.843 26.035,13.843 26.035,23.622 21.971,23.622 21.971,29.083 21.971,38.989 22.225,38.989 31.623,39.116 31.623,46.355 1.27,46.482 0.635,46.482 0.635,11.938 ; 52.959,47.498 41.148,47.498 41.148,61.722 49.276,61.722 60.96,61.722 69.088,61.722 69.088,0.635 59.563,0.635 53.975,0.635 ; 0.635,11.938 0.635,1.27 0.635,0.762 28.702,0.762 28.702,11.938 0.635,11.938 ; 53.975,0.635 38.862,0.635 38.862,7.112 51.943,7.112 53.975,7.112 53.975,4.191 53.975,0.635
  lines w0.5: 28.702,0.502 28.702,11.938 0.635,11.938 ; 28.702,0.762 0.635,0.762 0.635,11.938 ; 41.656,7.239 41.656,9.906 41.656,11.716 49.784,11.811 56.642,11.811 56.642,26.289 56.642,29.21 52.197,29.21 52.197,30.734 49.657,30.734 49.657,26.289 44.323,26.289 44.323,35.179 53.467,35.179 56.388,35.179 56.388,47.625 41.148,47.625 41.148,61.722 49.276,61.722 60.96,61.722 69.088,61.722 69.088,0.635 ; 43.561,11.811 43.561,13.843 26.035,13.843 26.035,23.622 21.971,23.622 21.971,29.083 21.971,38.989 22.225,38.989 31.623,39.116 31.623,46.355 0.635,46.482 0.635,11.938 ; 68.834,0.635 59.563,0.635 53.975,0.635 ; 53.975,0.635 53.975,4.191 53.975,7.112 51.943,7.112 38.862,7.112 38.862,0.635 53.975,0.635

## Silkscreen, mask and mechanical layers (free items; w line width, h text height)
Mechanical 1:
  lines w0.5: 0,2 ccw(c2,2) 2,0 68,0 ccw(c67.846,1.877) 69.723,2.032 69.723,60.5 ccw(c67.862,60.639) 68,62.5 2.032,62.484 ccw(c2.008,60.476) 0,60.5 0,2

## Text inside footprints (layer, text, board x,y; h text height)
J3: Mechanical 13 "PCB Edge" at 16.846,63.603 h0.6 r180